# KiCad board 8851_HW-U1-VCU118_REV2-0_071417.kicad_pcb (continued)
## Nets (continued)
MGT_SI570_CLOCK3_C_P: C88.1 U1.L9
MGT_SI570_CLOCK3_N: C89.2 U104.16
MGT_SI570_CLOCK3_P: C88.2 U104.15
MGTAVCC: C1419.1 C1732.1 L89.2 R114.2 R1204.2
MGTAVCC_A3_IN: C1698.1 C1723.2 R1227.1 R1274.2 U166.30
MGTAVCC_FPGA: C590.1 C596.1 C602.1 C614.1 C618.1 C622.1 C628.1 C630.1 C632.1 C902.1 C903.1 C1474.1 C1478.1 C1480.1 C1504.1 C1505.1 C1516.1 C1517.1 C1520.1 C1547.1 C1548.1 C1549.1 C1550.1 C1733.1 C1734.1 C1735.1 C1736.1 C1737.1 C1738.1 C1739.1 C1740.1 D38.1 J109.1 R113.2 R1204.1 U1.AA10 U1.AA36 U1.AB9 U1.AB37 U1.AC10 U1.AC36 U1.AC39 U1.AD11 U1.AD37 U1.AE10 U1.AE36 U1.AF11 U1.AF37 U1.AG10 U1.AG37 U1.AH8 U1.AJ10 U1.AJ38 U1.AK9 U1.AL10 U1.AL39 U1.AM8 U1.AN10 U1.AP9 U1.AP40 U1.AR10 U1.AT8 U1.K9 U1.M8 U1.P9 U1.P40 U1.U38 U1.V37 U1.W10 U1.W36 U1.Y8 U1.Y37 Z132.2
MGTAVCC_FPGA_SNS_N: U166.35 Z133.1
MGTAVCC_FPGA_SNS_P: U37.8 U166.36 Z132.1
MGTAVCC_FPGA_VIN: C158.1 R113.1 U37.9
MGTAVCC_ISENSE2: R1227.2 R1271.2 U163.15
MGTAVCC_PGOOD: D11.1 RP3.8 U51.7 U166.24
MGTAVCC_PWM2: U163.13 U166.17
MGTAVCC_SLAVE_1V8: C1620.1 C1675.1 C1676.1 C1681.1 L98.1 R1212.1 R1232.1 U163.11
MGTAVCC_TS_FAULTB: C1718.1 R1279.1 U166.19
MGTAVCC_VDD_MASTER: C1603.1 C1674.1 C1676.2 R1200.1 R1232.2 U166.8
MGTAVCC_VIN: C158.2 R114.1 U37.10
MGTAVCC_VIN_UV: C1717.1 R1218.2 R1221.1 U166.14
MGTAVCC_VX2: C1704.1 L89.1 U163.6 U163.7 U163.8 U163.9
MGTAVTT: C1743.1 C1744.1 L88.2 R112.2 R1203.2
MGTAVTT_A3_IN: C1694.1 C1722.2 R1226.1 R1273.2 U165.30
MGTAVTT_FPGA: C589.1 C595.1 C601.1 C615.1 C619.1 C623.1 C1475.1 C1477.1 C1479.1 C1481.1 C1506.1 C1515.1 C1518.1 C1519.1 C1741.1 C1742.1 C1745.1 C1746.1 C1747.1 C1748.1 C1749.1 C1750.1 C1751.1 C1752.1 D37.1 J108.1 R111.2 R175.2 R176.2 R1088.2 R1203.1 R1326.2 U1.A5 U1.A42 U1.AA6 U1.AB40 U1.AC7 U1.AD41 U1.AE6 U1.AF40 U1.AG7 U1.AH41 U1.AH43 U1.AJ6 U1.AJ42 U1.AK40 U1.AL4 U1.AL7 U1.AL43 U1.AM5 U1.AM41 U1.AN6 U1.AN42 U1.AP4 U1.AR7 U1.AR43 U1.AT5 U1.AU6 U1.AU42 U1.AV4 U1.AW43 U1.AY5 U1.B3 U1.B5 U1.B44 U1.BA42 U1.BB4 U1.BC43 U1.BD3 U1.BD5 U1.BE3 U1.BE42 U1.BE44 U1.BF4 U1.BF42 U1.C43 U1.C45 U1.D4 U1.E42 U1.F5 U1.G7 U1.G43 U1.H4 U1.J6 U1.J42 U1.K5 U1.L7 U1.L40 U1.L43 U1.M4 U1.N5 U1.N6 U1.N42 U1.R7 U1.R43 U1.T41 U1.U6 U1.U42 U1.V40 U1.V43 U1.W7 U1.Y41 Z130.2
MGTAVTT_FPGA_SNS_N: U165.35 Z131.1
MGTAVTT_FPGA_SNS_P: U36.8 U165.36 Z130.1
MGTAVTT_FPGA_VIN: C155.1 R111.1 U36.9
MGTAVTT_ISENSE2: R1226.2 R1270.2 U162.15
MGTAVTT_PGOOD: D14.1 RP3.7 U5.7 U51.8 U165.24 U167.7
MGTAVTT_PWM2: U162.13 U165.17
MGTAVTT_SLAVE_1V8: C1617.1 C1669.1 C1670.1 C1680.1 L97.1 R1211.1 R1231.1 U162.11
MGTAVTT_TS_FAULTB: C1716.1 R1278.1 U165.19
MGTAVTT_VDD_MASTER: C1598.1 C1668.1 C1670.2 R1199.1 R1231.2 U165.8
MGTAVTT_VIN: C155.2 R112.1 U36.10
MGTAVTT_VIN_UV: C1715.1 R1217.2 R1220.1 U165.14
MGTAVTT_VX2: C1703.1 L88.1 U162.6 U162.7 U162.8 U162.9
MGTRREF_121: R175.1 U1.BF43
MGTRREF_126: R176.1 U1.L41
MGTRREF_226: R1088.1 U1.BD2
MGTRREF_231: R1326.1 U1.A4
MGTVCCAUX_L: C711.1 C713.1 C924.1 C1476.1 C1483.1 C1484.1 C1485.1 D39.1 R172.2 R1290.1 U1.AA38 U1.AE38 U1.AG39 U1.W39
MGTVCCAUX_PGOOD: D12.1 RP3.6 U5.6 U51.9 U167.6
MGTVCCAUX_R: C176.1 C177.1 C178.1 C179.1 C180.1 C181.1 C182.1 D9.1 R160.1 R173.2 U1.AD8 U1.AF9 U1.T8 U1.V9
PCIE_CLK1_C_N: C102.1 U20.2
PCIE_CLK1_C_P: C67.1 U20.1
PCIE_CLK1_N: C102.2 U1.AL8
PCIE_CLK1_P: C67.2 U1.AL9
PCIE_CLK2_C_N: C119.1 U20.4
PCIE_CLK2_C_P: C118.1 U20.3
PCIE_CLK2_N: C119.2 U1.AC8
PCIE_CLK2_P: C118.2 U1.AC9
PCIE_CLK_Q0_N: U2.A14 U20.6
PCIE_CLK_Q0_P: U2.A13 U20.7
PCIE_PERST: R10.2 R11.2 R12.1 U3.11
PCIE_PERST_LS: U1.AM17 U3.10
PCIE_PERST_R: R10.1 U2.A11
PCIE_PRSNT_B: J7.2 J7.4 J7.6 J7.8 U2.A1
PCIE_PRSNT_X1: J7.1 U2.B17
PCIE_PRSNT_X4: J7.3 U2.B31
PCIE_PRSNT_X8: J7.5 U2.B48
PCIE_PRSNT_X16: J7.7 U2.B81
PCIE_RX0_N: U1.AA3 U2.B15
PCIE_RX0_P: U1.AA4 U2.B14
PCIE_RX1_N: U1.AB1 U2.B20
PCIE_RX1_P: U1.AB2 U2.B19
PCIE_RX2_N: U1.AC3 U2.B24
PCIE_RX2_P: U1.AC4 U2.B23
PCIE_RX3_N: U1.AD1 U2.B28
PCIE_RX3_P: U1.AD2 U2.B27
PCIE_RX4_N: U1.AE3 U2.B34
PCIE_RX4_P: U1.AE4 U2.B33
PCIE_RX5_N: U1.AF1 U2.B38
PCIE_RX5_P: U1.AF2 U2.B37
PCIE_RX6_N: U1.AG3 U2.B42
PCIE_RX6_P: U1.AG4 U2.B41
PCIE_RX7_N: U1.AH1 U2.B46
PCIE_RX7_P: U1.AH2 U2.B45
PCIE_RX8_N: U1.AJ3 U2.B51
PCIE_RX8_P: U1.AJ4 U2.B50
PCIE_RX9_N: U1.AK1 U2.B55
PCIE_RX9_P: U1.AK2 U2.B54
PCIE_RX10_N: U1.AM1 U2.B59
PCIE_RX10_P: U1.AM2 U2.B58
PCIE_RX11_N: U1.AP1 U2.B63
PCIE_RX11_P: U1.AP2 U2.B62
PCIE_RX12_N: U1.AT1 U2.B67
PCIE_RX12_P: U1.AT2 U2.B66
PCIE_RX13_N: U1.AV1 U2.B71
PCIE_RX13_P: U1.AV2 U2.B70
PCIE_RX14_N: U1.AY1 U2.B75
PCIE_RX14_P: U1.AY2 U2.B74
PCIE_RX15_N: U1.BB1 U2.B79
PCIE_RX15_P: U1.BB2 U2.B78
PCIE_TX0_C_N: C61.1 U2.A17
PCIE_TX0_C_P: C60.1 U2.A16
PCIE_TX0_N: C61.2 U1.Y6
PCIE_TX0_P: C60.2 U1.Y7
PCIE_TX1_C_N: C59.1 U2.A22
PCIE_TX1_C_P: C58.1 U2.A21
PCIE_TX1_N: C59.2 U1.AB6
PCIE_TX1_P: C58.2 U1.AB7
PCIE_TX2_C_N: C56.1 U2.A26
PCIE_TX2_C_P: C52.1 U2.A25
PCIE_TX2_N: C56.2 U1.AD6
PCIE_TX2_P: C52.2 U1.AD7
PCIE_TX3_C_N: C51.1 U2.A30
PCIE_TX3_C_P: C50.1 U2.A29
PCIE_TX3_N: C51.2 U1.AF6
PCIE_TX3_P: C50.2 U1.AF7
PCIE_TX4_C_N: C29.1 U2.A36
PCIE_TX4_C_P: C30.1 U2.A35
PCIE_TX4_N: C29.2 U1.AH6
PCIE_TX4_P: C30.2 U1.AH7
PCIE_TX5_C_N: C21.1 U2.A40
PCIE_TX5_C_P: C22.1 U2.A39
PCIE_TX5_N: C21.2 U1.AK6
PCIE_TX5_P: C22.2 U1.AK7
PCIE_TX6_C_N: C19.1 U2.A44
PCIE_TX6_C_P: C20.1 U2.A43
PCIE_TX6_N: C19.2 U1.AM6
PCIE_TX6_P: C20.2 U1.AM7
PCIE_TX7_C_N: C17.1 U2.A48
PCIE_TX7_C_P: C18.1 U2.A47
PCIE_TX7_N: C17.2 U1.AN4
PCIE_TX7_P: C18.2 U1.AN5
PCIE_TX8_C_N: C31.1 U2.A53
PCIE_TX8_C_P: C32.1 U2.A52
PCIE_TX8_N: C31.2 U1.AP6
PCIE_TX8_P: C32.2 U1.AP7
PCIE_TX9_C_N: C34.1 U2.A57
PCIE_TX9_C_P: C33.1 U2.A56
PCIE_TX9_N: C34.2 U1.AR4
PCIE_TX9_P: C33.2 U1.AR5
PCIE_TX10_C_N: C36.1 U2.A61
PCIE_TX10_C_P: C35.1 U2.A60
PCIE_TX10_N: C36.2 U1.AT6
PCIE_TX10_P: C35.2 U1.AT7
PCIE_TX11_C_N: C38.1 U2.A65
PCIE_TX11_C_P: C37.1 U2.A64
PCIE_TX11_N: C38.2 U1.AU4
PCIE_TX11_P: C37.2 U1.AU5
PCIE_TX12_C_N: C43.1 U2.A69
PCIE_TX12_C_P: C42.1 U2.A68
PCIE_TX12_N: C43.2 U1.AW4
PCIE_TX12_P: C42.2 U1.AW5
PCIE_TX13_C_N: C45.1 U2.A73
PCIE_TX13_C_P: C44.1 U2.A72
PCIE_TX13_N: C45.2 U1.BA4
PCIE_TX13_P: C44.2 U1.BA5
PCIE_TX14_C_N: C47.1 U2.A77
PCIE_TX14_C_P: C46.1 U2.A76
PCIE_TX14_N: C47.2 U1.BC4
PCIE_TX14_P: C46.2 U1.BC5
PCIE_TX15_C_N: C49.1 U2.A81
PCIE_TX15_C_P: C48.1 U2.A80
PCIE_TX15_N: C49.2 U1.BE4
PCIE_TX15_P: C48.2 U1.BE5
PCIE_WAKE_B: U2.B11 U3.12
PCIE_WAKE_B_LS: U1.BC24 U3.9
PHY1_CLKOUT: R32.2 U1.AU23
PHY1_GPIO_0: U1.AR22 U7.39
PHY1_MDC: J13.1 R27.2 U1.AV23 U7.16
PHY1_MDIO: J16.1 R26.2 U1.AR23 U7.17
PHY1_PDWN_B_I_INT_B_O: R34.2 U1.AR24 U7.44
PHY1_RESET_B: J11.1 R39.2 U1.BA21 U7.43
PHY1_SGMII_CLK_C_N: C90.2 R60.2 R66.1 R205.1 U7.34
PHY1_SGMII_CLK_C_P: C93.2 R61.2 R67.1 R206.1 U7.33
PHY1_SGMII_CLK_N: C90.1 U1.AU22
PHY1_SGMII_CLK_P: C93.1 U1.AT22
PHY1_SGMII_IN_C_N: C85.2 U7.28
PHY1_SGMII_IN_C_P: C77.2 U7.27
PHY1_SGMII_IN_N: C85.1 U1.AV21
PHY1_SGMII_IN_P: C77.1 U1.AU21
PHY1_SGMII_OUT_C_N: C86.2 R68.2 R69.1 U7.36
PHY1_SGMII_OUT_C_P: C87.2 R70.2 R71.1 U7.35
PHY1_SGMII_OUT_N: C86.1 U1.AV24
PHY1_SGMII_OUT_P: C87.1 U1.AU24
PMBUS_ALERT: J39.7 Q21.3 Q23.3 R500.2 U4.9 U6.9 U9.9 U30.9 U150.9 U156.9 U164.13 U165.13 U166.13
PMBUS_ALERT_FPGA: Q21.2 R324.2 U1.BB23
PMBUS_ALERT_SYSCTLR: Q23.2 R820.2 U111.P11
PMBUS_SCL: J39.1 R501.2 R622.2 U4.10 U6.10 U9.10 U30.10 U80.5 U150.10 U156.10 U164.12 U165.12 U166.12
PMBUS_SDA: J39.3 R502.2 R621.2 U4.11 U6.11 U9.11 U30.11 U80.4 U150.11 U156.11 U164.11 U165.11 U166.11
PMOD0_0: J52.1 U41.18
PMOD0_0_LS: U1.AY14 U41.3
PMOD0_1: J52.3 U41.17
PMOD0_1_LS: U1.AY15 U41.4
PMOD0_2: J52.5 U41.16
PMOD0_2_LS: U1.AW15 U41.5
PMOD0_3: J52.7 U41.15
PMOD0_3_LS: U1.AV15 U41.6
PMOD0_4: J52.2 U41.14
PMOD0_4_LS: U1.AV16 U41.7
PMOD0_5: J52.4 U41.13
PMOD0_5_LS: U1.AU16 U41.8
PMOD0_6: J52.6 U41.12
PMOD0_6_LS: U1.AT15 U41.9
PMOD0_7: J52.8 U41.11
PMOD0_7_LS: U1.AT16 U41.10
PMOD1_0: J53.1 U42.18
PMOD1_0_LS: U1.N28 U42.3
PMOD1_1: J53.3 U42.17
PMOD1_1_LS: U1.M30 U42.4
PMOD1_2: J53.5 U42.16
PMOD1_2_LS: U1.N30 U42.5
PMOD1_3: J53.7 U42.15
PMOD1_3_LS: U1.P30 U42.6
PMOD1_4: J53.2 U42.14
PMOD1_4_LS: U1.P29 U42.7
PMOD1_5: J53.4 U42.13
PMOD1_5_LS: U1.L31 U42.8
PMOD1_6: J53.6 U42.12
PMOD1_6_LS: U1.M31 U42.9
PMOD1_7: J53.8 U42.11
PMOD1_7_LS: U1.R29 U42.10
POR_OVERRIDE_PIN: J5.2 R116.1 U1.AG12
PUDC_B_PIN: R418.1 R1291.2 U1.AD12
QSFP1_IIC_SCL: R608.2 U28.9 U145.11
QSFP1_IIC_SDA: R607.2 U28.8 U145.12
QSFP1_INTL: R1095.2 U17.15 U145.28
QSFP1_INTL_LS: U1.AP21 U17.6
QSFP1_LPMODE: U17.14 U145.31
QSFP1_LPMODE_LS: U1.AN21 U17.7
QSFP1_MODPRSL: R1094.2 U17.16 U145.27
QSFP1_MODPRSL_LS: U1.AL21 U17.5
QSFP1_MODSELL: U17.18 U145.8
QSFP1_MODSELL_LS: R1190.1 U1.AM21 U17.3
QSFP1_RECCLK_C_N: C28.2 U57.17
QSFP1_RECCLK_C_P: C25.2 U57.16
QSFP1_RECCLK_N: C28.1 R266.2 U1.AM22
QSFP1_RECCLK_P: C25.1 R266.1 U1.AM23
QSFP1_RESETL: U17.17 U145.9
QSFP1_RESETL_LS: U1.BA22 U17.4
QSFP1_RX1_N: U1.Y1 U145.18
QSFP1_RX1_P: U1.Y2 U145.17
QSFP1_RX2_N: U1.W3 U145.21
QSFP1_RX2_P: U1.W4 U145.22
QSFP1_RX3_N: U1.V1 U145.15
QSFP1_RX3_P: U1.V2 U145.14
QSFP1_RX4_N: U1.U3 U145.24
QSFP1_RX4_P: U1.U4 U145.25
QSFP1_TX1_N: U1.V6 U145.37
QSFP1_TX1_P: U1.V7 U145.36
QSFP1_TX2_N: U1.T6 U145.2
QSFP1_TX2_P: U1.T7 U145.3
QSFP1_TX3_N: U1.P6 U145.34
QSFP1_TX3_P: U1.P7 U145.33
QSFP1_TX4_N: U1.M6 U145.5
QSFP1_TX4_P: U1.M7 U145.6
QSFP1_VCC1_FILT: C1345.1 C1350.1 L72.2 U145.30
QSFP1_VCCRX_FILT: C1347.1 C1352.1 L70.2 U145.10
QSFP1_VCCTX_FILT: C1346.1 C1351.1 L71.2 U145.29
QSFP2_IIC_SCL: R92.2 U28.11 U123.11
QSFP2_IIC_SDA: R91.2 U28.10 U123.12
QSFP2_INTL: R2.2 U3.15 U123.28
QSFP2_INTL_LS: U1.AT21 U3.6
QSFP2_LPMODE: U3.14 U123.31
QSFP2_LPMODE_LS: U1.AT24 U3.7
QSFP2_MODPRSL: R1.2 U3.16 U123.27
QSFP2_MODPRSL_LS: U1.AN24 U3.5
QSFP2_MODSELL: U3.18 U123.8
QSFP2_MODSELL_LS: R43.1 U1.AN23 U3.3
QSFP2_RECCLK_C_N: C1581.2 U57.13
QSFP2_RECCLK_C_P: C1580.2 U57.12
QSFP2_RECCLK_N: C1581.1 R1198.2 U1.AP22
QSFP2_RECCLK_P: C1580.1 R1198.1 U1.AP23
QSFP2_RESETL: U3.17 U123.9
QSFP2_RESETL_LS: U1.AY22 U3.4
QSFP2_RX1_N: U1.T1 U123.18
QSFP2_RX1_P: U1.T2 U123.17
QSFP2_RX2_N: U1.R3 U123.21
QSFP2_RX2_P: U1.R4 U123.22
QSFP2_RX3_N: U1.P1 U123.15
QSFP2_RX3_P: U1.P2 U123.14
QSFP2_RX4_N: U1.M1 U123.24
QSFP2_RX4_P: U1.M2 U123.25
QSFP2_TX1_N: U1.L4 U123.37
QSFP2_TX1_P: U1.L5 U123.36
QSFP2_TX2_N: U1.K6 U123.2
QSFP2_TX2_P: U1.K7 U123.3
QSFP2_TX3_N: U1.J4 U123.34
QSFP2_TX3_P: U1.J5 U123.33
QSFP2_TX4_N: U1.H6 U123.5
QSFP2_TX4_P: U1.H7 U123.6
QSFP2_VCC1_FILT: C1.1 C3.1 L2.2 U123.30
QSFP2_VCCRX_FILT: C1553.1 C1556.1 L86.2 U123.10
QSFP2_VCCTX_FILT: C1552.1 C1555.1 L1.2 U123.29
QSFP_SI570_CLOCK_C_N: C95.1 U1.W8
QSFP_SI570_CLOCK_C_P: C94.1 U1.W9
QSFP_SI570_CLOCK_N: C95.2 U38.5
QSFP_SI570_CLOCK_P: C94.2 U38.4
QSPI0_CS_B: R1015.2 U1.AJ11 U133.7
QSPI0_DQ0: U1.AP11 U133.15
QSPI0_DQ1: U1.AN11 U133.8
QSPI0_DQ2: R1018.2 U1.AM11 U133.9
QSPI0_DQ3: R1016.2 U1.AL11 U133.1
QSPI1_CS_B: R1293.2 U1.BF16 U43.7
QSPI1_DQ0: U1.AM19 U43.15
QSPI1_DQ1: U1.AM18 U43.8
QSPI1_DQ2: R1019.2 U1.AN20 U43.9
QSPI1_DQ3: R191.2 U1.AP20 U43.1
QSPI_CLK: U1.AF13 U43.16 U133.16
QSPI_RESET_B: R1328.2 U43.3 U133.3
REG_EN: R499.2 U4.12 U6.12 U9.12 U15.4 U25.1 U164.9 U165.9 U166.9
REG_SYNC: R141.1 R362.1 R1070.1 R1143.1 R1144.1
RJ45_LGRN_PWR: J10.16 R82.2
RJ45_RGRN_PWR: J10.14 R81.2
RLD3_C3_72B_0_VREF: C1233.1 R988.1 R989.2 U141.A7 U141.N7
RLD3_C3_72B_0_ZQ: R1145.1 U141.F7
RLD3_C3_72B_1_VREF: C1236.1 R1141.1 R1142.2 U142.A7 U142.N7
RLD3_C3_72B_1_ZQ: R1007.1 U142.F7
RLD3_C3_72B_A0: R964.2 U1.A29 U141.E2 U142.E2
RLD3_C3_72B_A1: R965.2 U1.C29 U141.F5 U142.F5
RLD3_C3_72B_A2: R966.2 U1.D29 U141.F4 U142.F4
RLD3_C3_72B_A3: R967.2 U1.B30 U141.F9 U142.F9
RLD3_C3_72B_A4: R968.2 U1.C30 U141.F10 U142.F10
RLD3_C3_72B_A5: R969.2 U1.A31 U141.F12 U142.F12
RLD3_C3_72B_A6: R970.2 U1.A30 U141.G3 U142.G3
RLD3_C3_72B_A7: R971.2 U1.A33 U141.F1 U142.F1
RLD3_C3_72B_A8: R972.2 U1.B33 U141.G11 U142.G11
RLD3_C3_72B_A9: R973.2 U1.B32 U141.F13 U142.F13
RLD3_C3_72B_A10: R974.2 U1.B31 U141.H13 U142.H13
RLD3_C3_72B_A11: R955.2 U1.C33 U141.D1 U142.D1
RLD3_C3_72B_A12: R956.2 U1.C32 U141.H11 U142.H11
RLD3_C3_72B_A13: R957.2 U1.D30 U141.D13 U142.D13
RLD3_C3_72B_A14: R958.2 U1.E29 U141.H3 U142.H3
RLD3_C3_72B_A15: R959.2 U1.F29 U141.G2 U142.G2
RLD3_C3_72B_A16: R960.2 U1.D32 U141.H4 U142.H4
RLD3_C3_72B_A17: R961.2 U1.E32 U141.H10 U142.H10
RLD3_C3_72B_A18: R962.2 U1.D31 U141.G12 U142.G12
RLD3_C3_72B_A19: R963.2 U1.E31 U141.H1 U142.H1
RLD3_C3_72B_A20: R990.2 U1.R28 U141.F2 U142.F2
RLD3_C3_72B_BA0: R978.2 U1.E33 U141.G9 U142.G9
RLD3_C3_72B_BA1: R977.2 U1.F33 U141.G5 U142.G5
RLD3_C3_72B_BA2: R976.2 U1.F30 U141.H8 U142.H8
RLD3_C3_72B_BA3: R975.2 U1.G30 U141.H6 U142.H6
RLD3_C3_72B_CK_N: R1292.1 U1.H30 U141.G7 U142.G7
RLD3_C3_72B_CK_P: R951.1 U1.H29 U141.H7 U142.H7
RLD3_C3_72B_CS_B: R952.2 U1.N29 U141.E12 U142.E12
RLD3_C3_72B_DK0_N: U1.J31 U141.C7
RLD3_C3_72B_DK0_P: U1.K31 U141.D7
RLD3_C3_72B_DK1_N: U1.J32 U141.L7
RLD3_C3_72B_DK1_P: U1.K32 U141.K7
RLD3_C3_72B_DK2_N: U1.J30 U142.C7
RLD3_C3_72B_DK2_P: U1.J29 U142.D7
RLD3_C3_72B_DK3_N: U1.G33 U142.L7
RLD3_C3_72B_DK3_P: U1.H33 U142.K7
RLD3_C3_72B_DM0: U1.F39 U141.B7
RLD3_C3_72B_DM1: U1.A35 U141.M7
RLD3_C3_72B_DM2: U1.N24 U142.B7
RLD3_C3_72B_DM3: U1.B25 U142.M7
RLD3_C3_72B_DQ0: U1.H39 U141.D11
RLD3_C3_72B_DQ1: U1.H40 U141.E10
RLD3_C3_72B_DQ2: U1.G40 U141.C8
RLD3_C3_72B_DQ3: U1.F40 U141.C10
RLD3_C3_72B_DQ4: U1.H38 U141.C12
RLD3_C3_72B_DQ5: U1.G38 U141.B9
RLD3_C3_72B_DQ6: U1.K37 U141.B11
RLD3_C3_72B_DQ7: U1.J37 U141.A8
RLD3_C3_72B_DQ8: U1.F38 U141.A10
RLD3_C3_72B_DQ9: U1.J35 U141.J10
RLD3_C3_72B_DQ10: U1.H35 U141.K11
RLD3_C3_72B_DQ11: U1.J36 U141.K13
RLD3_C3_72B_DQ12: U1.H37 U141.L8
RLD3_C3_72B_DQ13: U1.H34 U141.L10
RLD3_C3_72B_DQ14: U1.G35 U141.L12
RLD3_C3_72B_DQ15: U1.F35 U141.M9
RLD3_C3_72B_DQ16: U1.F36 U141.M11
RLD3_C3_72B_DQ17: U1.G36 U141.N8
RLD3_C3_72B_DQ18: U1.E37 U141.D3
RLD3_C3_72B_DQ19: U1.E38 U141.E4
RLD3_C3_72B_DQ20: U1.C39 U141.C6
RLD3_C3_72B_DQ21: U1.B40 U141.C4
RLD3_C3_72B_DQ22: U1.A39 U141.C2
RLD3_C3_72B_DQ23: U1.A40 U141.B5
RLD3_C3_72B_DQ24: U1.D40 U141.B3
RLD3_C3_72B_DQ25: U1.C40 U141.A6
RLD3_C3_72B_DQ26: U1.B38 U141.A4
RLD3_C3_72B_DQ27: U1.D35 U141.J4
RLD3_C3_72B_DQ28: U1.C35 U141.K3
RLD3_C3_72B_DQ29: U1.D34 U141.K1
RLD3_C3_72B_DQ30: U1.C34 U141.L6
RLD3_C3_72B_DQ31: U1.B36 U141.L4
RLD3_C3_72B_DQ32: U1.B37 U141.L2
RLD3_C3_72B_DQ33: U1.B35 U141.M5
RLD3_C3_72B_DQ34: U1.A36 U141.M3
RLD3_C3_72B_DQ35: U1.A34 U141.N6
RLD3_C3_72B_DQ36: U1.T24 U142.D11
RLD3_C3_72B_DQ37: U1.R24 U142.E10
RLD3_C3_72B_DQ38: U1.R27 U142.C8
RLD3_C3_72B_DQ39: U1.P27 U142.C10
RLD3_C3_72B_DQ40: U1.P25 U142.C12
RLD3_C3_72B_DQ41: U1.N25 U142.B9
RLD3_C3_72B_DQ42: U1.P26 U142.B11
RLD3_C3_72B_DQ43: U1.N27 U142.A8
RLD3_C3_72B_DQ44: U1.P24 U142.A10
RLD3_C3_72B_DQ45: U1.M25 U142.J10
RLD3_C3_72B_DQ46: U1.L26 U142.K11
RLD3_C3_72B_DQ47: U1.L28 U142.K13
RLD3_C3_72B_DQ48: U1.K28 U142.L8
RLD3_C3_72B_DQ49: U1.L24 U142.L10
RLD3_C3_72B_DQ50: U1.L25 U142.L12
RLD3_C3_72B_DQ51: U1.K26 U142.M9
RLD3_C3_72B_DQ52: U1.J26 U142.M11
RLD3_C3_72B_DQ53: U1.K27 U142.N8
RLD3_C3_72B_DQ54: U1.H27 U142.D3
RLD3_C3_72B_DQ55: U1.G27 U142.E4
RLD3_C3_72B_DQ56: U1.F28 U142.C6
RLD3_C3_72B_DQ57: U1.E28 U142.C4
RLD3_C3_72B_DQ58: U1.H28 U142.C2
RLD3_C3_72B_DQ59: U1.G28 U142.B5
RLD3_C3_72B_DQ60: U1.E26 U142.B3
RLD3_C3_72B_DQ61: U1.E27 U142.A6
RLD3_C3_72B_DQ62: U1.G25 U142.A4
RLD3_C3_72B_DQ63: U1.B28 U142.J4
RLD3_C3_72B_DQ64: U1.A28 U142.K3
RLD3_C3_72B_DQ65: U1.C27 U142.K1
RLD3_C3_72B_DQ66: U1.B27 U142.L6
RLD3_C3_72B_DQ67: U1.B26 U142.L4
RLD3_C3_72B_DQ68: U1.A26 U142.L2
RLD3_C3_72B_DQ69: U1.D25 U142.M5
RLD3_C3_72B_DQ70: U1.D26 U142.M3
RLD3_C3_72B_DQ71: U1.C25 U142.N6
RLD3_C3_72B_QK0_N: U1.J40 U141.E8
RLD3_C3_72B_QK0_P: U1.J39 U141.D9
RLD3_C3_72B_QK1_N: U1.E34 U141.J8
RLD3_C3_72B_QK1_P: U1.F34 U141.K9
RLD3_C3_72B_QK2_N: U1.D39 U141.E6
RLD3_C3_72B_QK2_P: U1.E39 U141.D5
RLD3_C3_72B_QK3_N: U1.C37 U141.J6
RLD3_C3_72B_QK3_P: U1.D37 U141.K5
RLD3_C3_72B_QK4_N: U1.R26 U142.E8
RLD3_C3_72B_QK4_P: U1.T26 U142.D9
RLD3_C3_72B_QK5_N: U1.M28 U142.J8
RLD3_C3_72B_QK5_P: U1.M27 U142.K9
RLD3_C3_72B_QK6_N: U1.F26 U142.E6
RLD3_C3_72B_QK6_P: U1.G26 U142.D5
RLD3_C3_72B_QK7_N: U1.C28 U142.J6
RLD3_C3_72B_QK7_P: U1.D27 U142.K5
RLD3_C3_72B_QVLD0: U1.G37 U141.J12
RLD3_C3_72B_QVLD1: U1.A38 U141.J2
RLD3_C3_72B_QVLD2: U1.J27 U142.J12
RLD3_C3_72B_QVLD3: U1.F25 U142.J2
RLD3_C3_72B_REF_B: R953.2 U1.L30 U141.F8 U142.F8
RLD3_C3_72B_RESET_B: U1.L29 U141.A13 U142.A13
RLD3_C3_72B_TCK: J105.5 R1195.2 U141.N2 U142.N2
RLD3_C3_72B_TDI: J105.3 R1194.2 U141.N10
RLD3_C3_72B_TMS: J105.4 R1193.2 U141.N12 U142.N12
RLD3_C3_72B_WE_B: R954.2 U1.K29 U141.F6 U142.F6
RLD3_C3_COMP1_72B_TDO: U141.N4 U142.N10
RLD3_C3_COMP2_72B_TDO: J105.2 U142.N4
RLD3_C3_VTERM_0V6: C1237.1 C1238.1 C1239.1 C1240.1 C1241.1 C1242.1 C1243.1 C1244.1 C1245.1 C1246.1 C1388.1 C1389.1 C1390.1 J104.1 R952.1 R953.1 R954.1 R955.1 R956.1 R957.1 R958.1 R959.1 R960.1 R961.1 R962.1 R963.1 R964.1 R965.1 R966.1 R967.1 R968.1 R969.1 R970.1 R971.1 R972.1 R973.1 R974.1 R975.1 R976.1 R977.1 R978.1 R990.1 U143.3 Z87.1
RLD3_C3_VTERM_0V6_PGOOD: Q41.1 R1008.2 U143.9
RLD3_EN: R1009.2 U143.7
RLD3_REFIN: C1289.1 R991.2 R992.1 U143.1
RLD3_REFOUT: C1247.1 U143.6
RLD3_SENSE: U143.5 Z87.2
RX_CTRL: R57.2 R65.1 U7.38
SDIO_CD: J83.13 R1101.2 U111.D8
SDIO_CLK: R1103.1 R1104.1 U111.B7 U154.12
SDIO_CMD: U111.B10 U154.10
SDIO_CONN_CLK: J83.5 U154.14
SDIO_CONN_CMD: J83.3 U154.8
SDIO_CONN_DATA0: J83.7 U154.15
SDIO_CONN_DATA1: J83.8 U154.5
SDIO_CONN_DATA2: J83.1 U154.6
SDIO_CONN_DATA3: J83.2 U154.7
SDIO_DATA0: U111.D6 U154.1
SDIO_DATA1: U111.C6 U154.3
SDIO_DATA2: U111.B9 U154.4
SDIO_DATA3: U111.D10 U154.9
SI570_0_OUTPUT_N: R36.1 U18.5 U157.4
SI570_0_OUTPUT_P: R36.2 U18.4 U157.3
SI570_1_OUTPUT_N: R687.1 U32.5 U104.7
SI570_1_OUTPUT_P: R687.2 U32.4 U104.6
SI5328_CLOCK1_C_N: C24.2 U1.U8
SI5328_CLOCK1_C_P: C23.2 U1.U9
SI5328_CLOCK1_N: C24.1 U57.29
SI5328_CLOCK1_P: C23.1 U57.28
SI5328_CLOCK2_C_N: C1363.2 U1.N8
SI5328_CLOCK2_C_P: C1364.2 U1.N9
SI5328_CLOCK2_N: C1363.1 U57.34
SI5328_CLOCK2_P: C1364.1 U57.35
SI5328_INT_ALM: U17.12 U57.3
SI5328_INT_ALM_LS: U1.H20 U17.9
SI5328_RST_B: U3.13 U57.1
SI5328_RST_LS_B: R1092.2 U1.BC21 U3.8
SI5328_SCL: R612.2 U28.14 U57.22
SI5328_SDA: R611.2 U28.13 U57.23
SI5328_VCC: C26.1 C27.1 C294.1 L31.1 U57.5 U57.10 U57.32
SI5328_XTAL_XA: U57.6 X5.1
SI5328_XTAL_XB: U57.7 X5.3
SIT9122_N: R37.2 U14.5 U21.6
SIT9122_P: R37.1 U14.4 U21.7
SM_FAN_PWM: Q61.1 R422.2 U31.12
SM_FAN_TACH: J73.3 R1327.2 U31.10 U31.11
SYS1V0_LX: L63.1 U124.A2
SYS2V5_LX: L73.1 U151.A2
SYS_1V0: C78.1 C82.1 C103.1 C109.1 C110.1 C111.1 C133.1 C134.1 C135.1 C136.1 C788.1 C798.1 C806.1 C816.1 C820.1 C821.1 C822.1 C833.1 C834.1 C865.1 C867.1 C868.1 C879.1 J86.1 L63.2 R814.1 R817.1 U7.6 U7.24 U7.31 U7.42 U111.E10 U111.F9 U111.G6 U111.G10 U111.H5 U111.J10 U111.K5 U111.L10 U128.16
SYS_1V0_PGOOD: Q36.1 R828.2 U124.C3
SYS_1V0_POR_B: R823.2 U124.B3 U128.17
SYS_1V8: C79.1 C83.1 C114.1 C115.1 C116.1 C140.1 C141.1 C142.1 C775.1 C780.1 C789.1 C790.1 C791.1 C792.1 C795.1 C796.1 C801.1 C803.1 C805.1 C808.1 C810.1 C811.1 C825.1 C828.1 C830.1 C837.1 C841.1 C842.1 C843.1 C844.1 C848.1 C849.1 C850.1 C851.1 C852.1 C853.1 C876.1 C1566.1 D15.3 J70.1 J82.1 L60.1 L62.2 Q23.1 R26.1 R27.1 R29.1 R30.1 R31.1 R34.1 R39.1 R54.1 R55.1 R56.1 R57.1 R60.1 R61.1 R68.1 R70.1 R198.1 R201.1 R203.1 R205.2 R206.2 R334.1 R724.1 R726.1 R748.1 R776.1 R802.1 R803.1 R816.1 R820.1 R826.1 R832.1 R854.1 R855.1 R856.1 R857.1 R860.2 R1101.1 R1103.2 R1196.1 R1197.1 SW15.5 SW15.6 SW15.7 SW15.8 SW16.8 U7.19 U7.30 U7.41 U109.2 U111.A6 U111.B3 U111.B13 U111.C10 U111.D7 U111.E4 U111.E6 U111.E14 U111.F1 U111.G4 U111.H4 U111.H9 U111.J2 U111.J4 U111.J6 U111.J8 U111.J12 U111.K8 U111.K9 U111.L6 U111.M3 U111.M13 U111.N10 U111.P7 U111.R4 U111.R14 U114.2 U122.7 U122.11 U122.15 U122.16 U122.20 U122.24 U125.9 U125.10 U128.13 U154.2
SYS_1V8_POR_B: R163.2 R824.2 U10.5 U125.5 U128.12
SYS_2V2: C75.1 C192.1 C522.1 J28.1 R75.1 R164.1 R166.1 R354.1 R355.1 R580.1 R601.1 R602.1 U10.9 U10.10 U28.24 U80.24
SYS_2V5: C80.1 C84.1 C112.1 C113.1 C137.1 C139.1 C555.1 C560.1 C603.1 C604.1 C697.1 C700.1 C704.1 C707.1 C955.1 C1054.1 C1145.1 C1148.1 C1151.1 C1154.1 C1160.1 C1167.1 C1170.1 C1173.1 C1176.1 C1182.1 C1280.1 C1281.1 C1287.1 C1288.1 C1294.1 C1295.1 C1300.1 C1301.1 C1343.1 C1353.1 C1354.1 C1359.1 J99.1 L73.2 R819.1 R1096.1 U7.3 U7.9 U60.B1 U60.R9 U61.B1 U61.R9 U62.B1 U62.R9 U63.B1 U63.R9 U64.B1 U64.R9 U128.10 U135.B1 U135.R9 U136.B1 U136.R9 U137.B1 U137.R9 U138.B1 U138.R9 U139.B1 U139.R9 U141.B1 U141.B13 U141.M1 U141.M13 U142.B1 U142.B13 U142.M1 U142.M13
SYS_2V5_PGOOD: Q6.1 R1100.2 U151.C3
SYS_2V5_POR_B: R1192.2 U128.9 U151.B3
SYSCLK1_300_C_N: C651.1 U157.10
SYSCLK1_300_C_P: C650.1 U157.9
SYSCLK1_300_N: C651.2 R595.1 R597.2 R1177.1 U1.F31
SYSCLK1_300_P: C650.2 R594.1 R596.2 R1177.2 U1.G31
SYSCLK2_300_N: R38.1 U104.4 U157.12
SYSCLK2_300_P: R38.2 U104.3 U157.11
SYSCLK_300_N: R1140.1 U122.21 U157.7
SYSCLK_300_P: R1140.2 U122.22 U157.6
SYSCLK_OEB_ALL: R792.1 U122.5
SYSCLK_RESET: R793.1 U122.3
SYSCTLR_AGND: C913.2 C1567.2 C1579.2 L61.1 U111.F8 U111.G8 U155.3
SYSCTLR_CFG_JTAG_TCK: R810.2 U111.N7
SYSCTLR_CFG_JTAG_TDI: R811.2 U111.P8
SYSCTLR_CFG_JTAG_TMS: R812.2 U111.N8
SYSCTLR_CLK: R799.2 U111.C7
SYSCTLR_CLK_R: R799.1 U122.10
SYSCTLR_DONE: Q3.1 R748.2 U111.M7
SYSCTLR_ENABLE: R1087.1 SW16.1 U111.K12
SYSCTLR_ERR_LED: Q35.1 R96.1 U111.G12
SYSCTLR_GPIO_5: U1.BD21 U111.D13
SYSCTLR_GPIO_6: U1.BA25 U111.A12
SYSCTLR_GPIO_7: U1.BA24 U111.C13
SYSCTLR_INIT_B: DS42.4 Q7.1 R726.2 U111.D5
SYSCTLR_MODE0: R727.1 SW15.4 U111.E15
SYSCTLR_MODE1: R728.1 SW15.3 U111.C11
SYSCTLR_MODE2: R729.1 SW15.2 U111.D15
SYSCTLR_MODE3: R730.1 SW15.1 U111.A14
SYSCTLR_POR_B: R13.2 SW14.1 SW14.2 U111.C9 U128.20
SYSCTLR_QSPI_IO0: R774.1 U111.A8 U114.15
SYSCTLR_QSPI_IO1: R773.1 U111.A7 U114.8
SYSCTLR_QSPI_IO2: R772.1 U111.C8 U114.9
SYSCTLR_QSPI_IO3: J110.1 R776.2 U111.A9 U114.1
SYSCTLR_QSPI_SCLK: R775.1 U111.A10 U114.16
SYSCTLR_QSPI_SS_B: U111.A5 U114.7
SYSCTLR_STAT_LED: Q34.1 R97.1 U111.H12
SYSCTLR_TCK: J82.3 R857.2 U111.G9
SYSCTLR_TDI: J82.5 R855.2 U111.L7
SYSCTLR_TDO: J82.6 R854.2 U111.L8
SYSCTLR_TMS: J82.4 R856.2 U111.L9
SYSCTLR_UART_RX: Q56.2 U111.B15
SYSCTLR_UART_TX: Q57.2 U111.C12
SYSCTLR_VREF: C913.1 C1567.1 U111.H7 U155.2
SYSMON_AGND: C2.2 L87.1 U1.AB17
SYSMON_SCL: R618.2 U1.AP18 U28.18
SYSMON_SDA: R617.2 U1.AP17 U28.17
SYSMON_VCCADC: C1579.1 L60.2 U111.F7 U155.1
SYSMON_VN: R560.1 U1.AD17
SYSMON_VP: R547.2 R548.1 U1.AC18
USB_FLTR: C57.1 C295.1 C346.1 C891.1 L34.1 U34.7 U34.8 U131.1 U131.3
USB_JTAG_DATA_N: J106.2 U115.12 X7.2
USB_JTAG_DATA_P: J106.3 U115.13 X7.1
USB_JTAG_FLTR: C1583.1 C1640.1 L93.1
USB_JTAG_GND: C1582.2 J106.5 L94.2
USB_JTAG_VBUS: C1582.1 J106.1 L93.2 X7.6
USB_POWERED_VIO: C543.1 C892.1 R498.2 R858.2 R860.1 U34.5 U131.5
USB_UART_CTS: Q54.2 U1.BB22
USB_UART_DATA_N: J4.2 U34.4 X1.2
USB_UART_DATA_P: J4.3 U34.3 X1.1
USB_UART_RTS: Q55.2 U1.AY25
USB_UART_RX: Q52.2 U1.BB21
USB_UART_TX: Q53.2 U1.AW25
USB_VBUS: C55.1 J4.1 L34.2 X1.6
USB_VBUS_GND: C55.2 J4.5 L35.2
USER_SI570_0_CLOCK_SCL: R614.2 U18.8 U28.16
USER_SI570_0_CLOCK_SDA: R613.2 U18.7 U28.15
USER_SI570_1_CLOCK_SCL: R604.2 U28.5 U32.8
USER_SI570_1_CLOCK_SDA: R603.2 U28.4 U32.7
USER_SI570_2_CLOCK_SCL: R190.2 U38.8 U80.16
USER_SI570_2_CLOCK_SDA: R189.2 U38.7 U80.15
USER_SI570_CLOCK1_N: R174.1 R182.2 R184.1 U1.AW22 U157.14
USER_SI570_CLOCK1_P: R174.2 R181.2 R183.1 U1.AW23 U157.13
USER_SI570_CLOCK_N: R88.1 R178.2 R180.1 U1.G32 U104.10
USER_SI570_CLOCK_P: R88.2 R177.2 R179.1 U1.H32 U104.9
USER_SMA_CLOCK_N: J35.1 R8.2 U1.P32
USER_SMA_CLOCK_P: J34.1 R8.1 U1.R32
UTIL_1V35: C1269.1 C1271.1 C1277.1 C1282.1 C1283.1 C1284.1 C1290.1 C1291.1 C1296.1 C1392.1 C1424.1 C1425.1 C1426.1 C1427.1 D8.1 J97.1 R152.2 U141.A3 U141.A11 U141.C1 U141.C13 U141.F3 U141.F11 U141.H2 U141.H5 U141.H9 U141.H12 U141.L1 U141.L13 U141.N3 U141.N11 U142.A3 U142.A11 U142.C1 U142.C13 U142.F3 U142.F11 U142.H2 U142.H5 U142.H9 U142.H12 U142.L1 U142.L13 U142.N3 U142.N11 Z91.2
UTIL_1V35_DH_R: Q39.1 R1022.2
UTIL_1V35_DL: Q39.7 U150.19
UTIL_1V35_FET_SWITCH: C1325.2 L66.1 Q39.2 Q39.3 Q39.4 R1029.1 R1076.2 R1079.2 U150.16
UTIL_1V35_PGOOD: D35.1 Q58.1 R1288.2 U150.32
UTIL_1V35_SNS_N: C1318.1 C1329.2 U150.26 Z92.1
UTIL_1V35_SNS_P: C1329.1 U150.27 Z91.1
UTIL_1V35_TEMPX: C1330.1 Q40.1 Q40.2 U150.7
UTIL_3V3: C7.1 C12.1 C15.1 C40.1 C53.1 C63.1 C65.1 C69.1 C70.1 C71.1 C73.1 C76.1 C81.1 C92.1 C96.1 C98.1 C120.1 C123.1 C125.1 C128.1 C154.1 C157.1 C162.1 C172.1 C191.1 C204.1 C236.1 C239.1 C290.1 C324.1 C356.1 C500.1 C501.1 C525.1 C527.1 C550.1 C551.1 C633.1 C640.1 C701.1 C774.1 C864.1 C866.1 C874.1 C893.1 C894.1 C895.1 C896.1 C905.1 C956.1 C957.1 C1013.1 C1164.1 C1273.1 C1342.1 C1344.1 C1348.1 C1349.1 C1361.1 C1362.1 C1395.1 C1396.1 C1441.1 C1551.1 C1554.1 C1586.1 C1597.1 C1602.1 C1626.1 C1628.1 C1629.1 C1630.1 C1631.1 C1644.1 C1645.1 C1646.1 C1647.1 C1652.1 C1653.1 C1654.1 C1655.1 C1659.1 C1667.1 C1673.1 C1753.1 DS2.3 DS3.3 DS34.2 J2.C39 J2.D32 J2.D36 J2.D38 J2.D40 J8.1 J9.1 J22.C39 J22.D32 J22.D36 J22.D38 J22.D40 J22.Z40 J52.11 J52.12 J53.11 J53.12 J83.4 J103.1 L1.1 L2.1 L4.2 L5.2 L31.2 L70.1 L71.1 L72.1 L86.1 Q52.1 Q53.1 Q54.1 Q55.1 Q56.1 Q57.1 R1.1 R2.1 R11.1 R13.1 R19.1 R28.1 R33.1 R77.1 R81.1 R82.1 R85.1 R86.1 R89.1 R90.1 R91.1 R92.1 R93.1 R94.1 R106.1 R107.1 R125.1 R126.1 R127.1 R128.1 R129.1 R130.1 R131.1 R132.1 R142.1 R143.1 R144.1 R145.1 R146.1 R147.1 R148.1 R149.1 R151.1 R153.1 R163.1 R189.1 R190.1 R192.1 R208.1 R213.1 R217.1 R218.1 R220.1 R221.1 R308.1 R321.1 R323.1 R327.1 R331.2 R388.1 R389.1 R399.1 R422.1 R492.1 R499.1 R500.1 R501.1 R502.1 R603.1 R604.1 R607.1 R608.1 R611.1 R612.1 R613.1 R614.1 R621.1 R622.1 R623.1 R624.1 R625.1 R626.1 R627.1 R628.1 R629.1 R630.1 R639.1 R640.1 R784.1 R785.1 R786.1 R787.1 R818.1 R823.1 R824.1 R828.1 R888.1 R890.1 R928.1 R929.1 R934.1 R945.1 R1008.1 R1009.1 R1013.1 R1094.1 R1095.1 R1100.1 R1183.1 R1192.1 R1288.1 RP2.1 RP2.2 RP2.3 RP2.4 RP3.1 RP3.2 RP3.3 RP3.4 U5.2 U5.3 U5.4 U5.5 U8.6 U10.1 U10.2 U10.3 U12.8 U13.1 U13.7 U13.10 U14.6 U18.6 U19.23 U19.24 U20.8 U21.8 U22.1 U22.7 U22.10 U23.6 U24.10 U25.5 U26.5 U27.6 U29.6 U31.5 U31.16 U32.6 U33.7 U35.6 U36.6 U37.6 U38.6 U39.3 U39.4 U39.10 U39.15 U39.21 U39.22 U40.8 U51.1 U51.23 U51.24 U53.1 U71.5 U104.5 U115.11 U124.A3 U125.1 U125.2 U125.3 U132.5 U134.10 U143.10 U151.A3 U154.16 U157.5 U164.27 U165.27 U166.27 U167.2 U167.3 U167.4 U167.5 Z115.2
UTIL_3V3_DH_R: Q47.4 R1147.2
UTIL_3V3_DL: Q45.4 U156.19
UTIL_3V3_EN: R333.2 R756.1 U156.12
UTIL_3V3_FET_SWITCH: C1526.2 L75.1 Q45.5 Q45.6 Q45.7 Q45.8 Q47.1 Q47.2 Q47.3 R1135.2 R1139.1 R1165.2 U156.16
UTIL_3V3_PGOOD: D13.1 RP3.5 U51.10 U156.32
UTIL_3V3_SNS_N: C1449.1 C1538.2 U156.26 Z116.1
UTIL_3V3_SNS_P: C1538.1 U156.27 Z115.1
UTIL_3V3_TEMPX: C1542.1 Q51.1 Q51.2 U156.7
VAD_1V8_TEMPX: C740.1 Q25.1 Q25.2 U30.7
VADJ_1V8: C174.1 L3.2 R87.1 R102.2 R434.1 Z65.2
VADJ_1V8_EN: U25.4 U30.12
VADJ_1V8_FET_SWITCH: C406.2 L3.1 Q9.2 Q9.3 Q9.4 R231.1 R464.2 R712.2 U30.16
VADJ_1V8_FPGA: C99.1 C169.1 C170.1 C289.1 C1012.1 C1467.1 C1568.1 C1569.1 C1573.1 C1625.1 C1627.1 C1641.1 C1642.1 C1643.1 C1649.1 C1650.1 C1651.1 D19.1 J2.E39 J2.F40 J2.G39 J2.H40 J22.E39 J22.F40 J22.G39 J22.H40 J58.1 R87.2 R101.2 U1.AH32 U1.AK36 U1.AL13 U1.AL33 U1.AM30 U1.AP14 U1.AP34 U1.AT38 U1.AU15 U1.AV12 U1.AW9 U1.AY16 U1.BA13 U1.BB10 U1.BC7 U1.BD14 U1.BE11 U1.BF8 U1.J13 U1.L37 U1.M14 U1.M34 U1.N11 U1.P38 U1.R15 U1.R35 U1.T12 U1.T32 U1.W13 U1.W33 U44.2 Z16.2
VADJ_1V8_FPGA_SNS_N: C369.2 C370.1 U30.26 Z14.1
VADJ_1V8_FPGA_SNS_P: C369.1 U27.8 U30.27 Z16.1
VADJ_1V8_FPGA_VIN: C97.1 R101.1 U27.9
VADJ_1V8_PGOOD: J2.D1 J22.D1 RP2.6 U30.32 U44.18 U51.5
VADJ_1V8_PGOOD_LS: U1.AK35 U44.3
VADJ_1V8_VIN: C97.2 R102.1 U27.10
VADJ_DH_R: Q9.1 R98.2
VADJ_DL: Q9.7 U30.19
VREF_43: R798.2 U1.AJ29
VREF_45: R796.2 U1.U30
VREF_66: R1024.2 U1.BA11
VREF_67: R1023.2 U1.AL16
VREF_70: R3.2 U1.AB13
VRP_40: R378.1 U1.BC30
VRP_41: R384.1 U1.BC29
VRP_42: R377.1 U1.BB34
VRP_43: R383.1 U1.AR34
VRP_45: R700.1 U1.Y33
VRP_46: R1001.1 U1.K38
VRP_47: R379.1 U1.T29
VRP_48: R1002.1 U1.M26
VRP_65: R108.1 U1.BF21
VRP_66: R4.1 U1.BD16
VRP_67: R380.1 U1.BA12
VRP_70: R5.1 U1.W15
VRP_71: R1072.1 U1.D8
VRP_72: R1073.1 U1.T21
VRP_73: R1071.1 U1.T18

## Via types
v1: diameter 0.425, hole 0.2, TOP to BOTTOM, 1289 vias
v2: diameter 0.475, hole 0.25, TOP to BOTTOM, 2747 vias
v3: diameter 0.5, hole 0.25, TOP to BOTTOM, 4717 vias
v4: diameter 0.6, hole 0.3, TOP to BOTTOM, 325 vias
v5: diameter 0.5, hole 0.275, TOP to BOTTOM, 81 vias
v6: diameter 0.45, hole 0.2, TOP to BOTTOM, 230 vias
v7: diameter 0.55, hole 0.3, TOP to BOTTOM, 4 vias
v8: diameter 1.7, hole 1.125, TOP to BOTTOM, 2 vias

## Routing (per net, layer and track width the routed paths; a pad name or vN(x,y) marks a point on that pad's centre or on a via; arc(x,y) is an arc through that point)
AGND1: length 8.1
  TOP w0.375: 230.75,109.96 230.75,109.46 v4(231.47,108.74) ; v3(233.17,100.52) 233.17,100.52 233.17,101.16
  BOTTOM w0.375: 230.67,101.17 v3(230.67,100.52) ; 227.79,114.9 v3(227.79,115.55) ; 229.04,114.9 v3(229.04,115.55) ; 230.29,114.9 v3(230.29,115.55) ; 235.67,101.17 v3(235.67,100.52) ; 224.04,114.9 v3(224.04,115.55) ; 225.29,114.9 v3(225.29,115.55) ; 233.17,101.17 v3(233.17,100.52) ; 226.54,114.9 v4(226.54,115.59)
  vias: v4(230.22,108.74) v4(230.22,107.49) v4(230.22,106.24) v4(231.47,107.49) v4(231.47,106.24) v4(232.72,108.74) v4(232.72,107.49) v4(232.72,106.24)
AGND2: length 11.4
  TOP w0.375: 158.55,114.06 157.69,114.06 v3(157.37,114.37)
  BOTTOM w0.25: 158.75,113.62 156.62,113.62 v3(156.37,113.37) 156.62,113.13 158.75,113.13
  BOTTOM w0.375: 157.55,108.11 v3(157.55,107.37) ; 158.55,108.09 v3(158.55,107.37) ; v3(162.91,116.95) C1543.2 ; 156.55,108.11 v3(156.55,107.37) ; v3(159.87,115.88) 160.2,116.22 160.8,116.22 ; v3(160.86,107.4) 160.55,107.71 160.55,108.11
  vias: v3(155.37,114.37) v3(155.37,112.37) v3(157.37,112.37)
AGND5: length 37.6
  TOP w0.375: 179,133.18 179,134.04 v3(179.31,134.35) ; v3(175.16,131.8) 175.16,132.55 175.78,133.18 Z15.1
  BOTTOM w0.25: 172.77,138.35 173.01,138.59 173.01,139.72 178.42,145.13 187.28,145.13 188.4,144.01 188.4,143.57 ; 178.06,132.97 178.06,135.11 v3(178.31,135.35) 178.55,135.11 178.55,132.97 ; v3(174.74,135.79) 174.94,135.6 175.93,135.6
  BOTTOM w0.375: v3(172.38,131.18) 173.04,131.18 173.04,131.18 ; 172.4,136.73 172.38,136.7 v3(172.38,135.18) 173.04,135.18 ; v3(172.38,133.18) 173.04,133.18 173.04,133.18 ; 182.93,128.82 183.01,128.9 v3(183.93,128.9) ; 172.77,138.35 v3(171.98,138.35) ; 173.04,134.18 v3(172.38,134.18) ; C370.2 v3(181.15,131.79)
  vias: v3(177.31,136.35) v3(177.31,134.35) v3(179.31,136.35)
AGND6: length 32.1
  TOP w0.375: v3(207.44,64.5) 207.75,64.81 Z1.1
  BOTTOM w0.25: 210.82,61.78 210.82,61.37 211.04,61.15 v3(211.09,61.15) ; U6.28 208.69,63.74 v3(208.44,63.5) 208.2,63.74 U6.29 ; C188.2 213.74,60.26 213.74,59.13 209.17,54.56 207.93,54.56 207.09,53.72 205.81,53.72 200.2,53.72 198.88,55.05 198.88,55.65 198.88,55.66
  BOTTOM w0.375: R74.2 v3(214.5,64.67) ; C188.2 v3(214.77,60.5) ; R159.2 v3(214.5,63.67) ; C145.2 215.22,61.03 215.41,60.84 215.41,60.85 v3(215.43,60.85) ; R136.2 v3(214.5,67.67) ; R137.2 v3(214.5,65.67)
  vias: v3(204.84,69.05) v3(207.44,62.5) v3(209.44,64.5) v3(209.44,62.5)
AGND8: length 12.7
  TOP w0.375: v3(209.91,43.68) 209.91,44.43 210.53,45.05 Z94.1 ; v3(214.06,46.23) 213.75,45.91 213.75,45.05
  BOTTOM w0.25: 212.81,44.85 212.81,46.98 v3(213.06,47.23) 213.3,46.98 213.3,44.85 ; v3(209.43,47.73) 209.69,47.47 210.68,47.47
  BOTTOM w0.375: C1447.2 v3(215.9,43.65) ; 217.68,40.69 v3(216.6,40.69)
  vias: v3(212.06,48.23) v3(212.06,46.23) v3(214.06,48.23)
AGND9: length 24.2
  TOP w0.25: 162.59,137.88 162.59,135.52 v4(163.08,135.03) 164.06,136.01 165.93,136.01 ; 161.11,137.88 161.11,136.99 v4(161.83,136.28) 162.09,136.54 162.09,137.88
  BOTTOM w0.25: 165.46,135.65 164.95,135.65 v4(164.33,136.28) 163.56,137.05 163.08,137.05
  BOTTOM w0.375: 165.46,134.65 165.46,135.65 165.46,136.65 164.7,136.65 v4(164.33,136.28) ; 165.46,134.65 165.46,133.65 165.46,132.65 ; 165.46,134.65 163.45,134.65 v4(163.08,135.03) ; v4(161.83,136.28) 162.06,136.51 162.06,137.05 ; 165.46,132.65 165.35,132.54 163.9,132.54 ; 165.46,132.65 165.46,131.65
  vias: v4(161.83,133.78) v4(164.33,133.78)
AGND10: length 23.9
  TOP w0.15: U165.15 175.73,42.36 v3(176.26,41.83)
  TOP w0.25: U165.16 176.23,44.95 v4(175.24,45.94) 175.73,46.43 178.1,46.43 ; 178.1,47.91 177.21,47.91 v4(176.49,47.19) 176.76,46.92 178.1,46.92
  BOTTOM w0.15: 176.87,42.57 176.26,41.96 v3(176.26,41.83)
  BOTTOM w0.25: v4(176.49,44.69) 177.26,45.46 177.26,45.94
  BOTTOM w0.375: 172.87,43.56 171.87,43.56 ; 172.87,43.56 172.76,43.67 172.76,45.12 ; 172.87,43.56 173.87,43.56 ; v4(176.49,44.69) 176.87,44.31 176.87,43.56 173.87,43.56 ; v4(176.49,47.19) 176.72,46.96 177.26,46.96 ; 173.87,43.56 173.87,44.56 v4(173.99,44.69)
  vias: v4(173.99,47.19)
AGND12: length 36.3
  TOP w0.375: 42.3,119.68 43.81,119.68 v3(44.46,120.33)
  BOTTOM w0.25: 44.3,124.28 44.3,124.15 44.23,124.08 U150.29 ; 47.48,125.91 47.72,125.67 49.12,125.67 53.19,121.6 53.19,119.56 53.19,112.11 52.45,111.38 51.98,111.38 51.54,110.93 ; v3(45.2,124.17) 44.72,123.69 U150.28 ; U150.5 44.23,120.13 U150.33 44.23,120.62 42.1,120.62 ; v3(46.83,123.02) 46.83,122.97 46.6,122.75 46.2,122.75
  BOTTOM w0.375: 47.48,125.91 47.48,126.4 v3(47.75,126.67) ; 40.3,125.17 v3(40.3,125.95) ; 42.3,125.17 v3(42.3,125.9) ; 40.05,117.53 v3(40.92,117.53) ; 43.3,125.17 v3(43.3,125.9) ; v3(46.88,126.92) 46.65,127.15 45.85,127.15 ; 44.3,125.26 v3(44.3,126)
AGND13: length 52.1
  BOTTOM w0.15: 183.95,30.85 185.08,30.85 185.46,30.47 U156.29
  BOTTOM w0.175: 180.21,29.35 180.35,29.48 180.35,31.42 179.68,32.09 179.68,37.6 181.06,38.98 181.06,43.15 184.23,46.32 184.23,48.76 185.46,49.99 190.82,49.99 192.1,48.71 192.1,48.2 192.32,47.98
  BOTTOM w0.207: 186.33,30.85 185.95,30.47 U156.28 ; R1169.2 181.2,26.1 U156.5
  BOTTOM w0.25: 185.46,23.97 185.46,26.1 v3(185.7,26.35) 185.95,26.1 185.95,23.97
  BOTTOM w0.3: v3(182.95,28.85) 183.33,28.47 183.33,28.07
  BOTTOM w0.375: Z96.1 181.74,33.06 182.03,32.78 v3(182.82,32.78) ; 180.21,22.34 180.21,23.59 v3(179.38,23.59) ; 190.08,19.44 v4(190.08,18.4) ; 187.95,19.73 v4(188.93,19.73) ; 180.21,29.35 v3(179.45,29.35)
  vias: v3(184.7,27.35) v3(184.7,25.35) v3(186.7,27.35) v3(186.7,25.35)
GND: length 15582
  TOP w0.102: 171.31,19.26 170.86,19.26 170.7,19.1 170.7,18.05 169.9,17.26 169.9,16.77 170,16.66 170.15,16.66 170.28,16.8 U157.1 ; U104.1 102.81,24.23 102.67,24.1 102.57,24.1 102.47,24.19 102.47,24.65 103.12,25.3 103.12,26.82 103.44,27.14 103.83,27.14
  TOP w0.125: v4(70.78,132.12) 71.11,132.45 J35.4 ; v4(60.19,109.95) 60.53,109.62 J32.5 ; v4(68.61,129.95) 68.28,129.62 J35.3 ; J31.5 17.99,95.7 v4(17.65,96.04) ; v4(55.86,109.95) 55.53,109.62 J32.3 ; J34.2 82.19,132.45 v4(82.53,132.12) ; v4(29.4,96.04) 29.07,95.7 J30.3 ; J30.4 31.9,98.54 v4(31.57,98.2) ; J32.2 57.69,112.45 v4(58.03,112.12) ; J33.4 60.53,98.54 v4(60.19,98.2) ; v4(82.53,127.79) 82.19,127.45 J34.3 ; J34.4 85.03,130.29 v4(84.69,129.95) ; J30.2 29.07,100.7 v4(29.4,100.37) ; v4(55.86,98.2) 55.53,98.54 J33.2 ; v4(70.78,127.79) 71.11,127.45 J35.5 ; v4(17.65,100.37) 17.99,100.7 J31.4 ; v4(15.49,98.2) 15.15,97.87 J31.3 ; v4(58.03,96.04) 58.36,95.7 J33.5
  TOP w0.138: U122.4 158.97,18.95 158.45,19.46 158.17,19.46
  TOP w0.142: 152.71,35.44 v1(152.32,35.05) ; v2(135.08,67.76) U1.AA42
  TOP w0.15: v3(204.99,81.28) 205.26,81.55 205.26,82.39 ; U1.AG36 v2(129.17,60.87) ; U111.L11 v6(18.41,129.69) ; 10.93,135.6 v6(10.53,135.99) ; 205.26,113.14 205.26,112.22 v3(204.99,111.95) ; 158.43,15.83 159.63,15.83 159.63,17.01 159.43,17.21 159.43,17.75 159.64,17.96 U122.6 ; U111.B8 v6(15.26,137.57) ; U111.A1 v6(9.75,138.36) ; 18.8,135.6 v6(19.2,135.99) ; U111.C5 v6(12.9,136.78) ; U122.23 161.21,21.57 160.95,21.84 160.95,22.23 160.32,22.85 160,22.85 159.62,23.23 159.62,23.81 ; 205.26,92.64 205.26,91.8 v3(204.99,91.53) ; 137.38,31.68 136.82,31.68 v3(135.57,30.43) ; v3(43.85,82.53) 44.13,82.82 44.13,83.9 ; U1.AH36 v2(129.17,59.88) ; U111.A11 v6(18.41,138.36)
  TOP w0.2: v3(82.24,24.73) 82.27,24.76 82.27,25.9 ; v3(13.15,67.95) 13.15,67.62 13.31,67.46 U34.2
  TOP w0.212: 205.26,102.89 205.26,102.05 v3(204.99,101.78)
  TOP w0.25: 44.43,65.73 44.43,67.21 v3(44.48,67.26) ; v1(76.73,55.45) 76.76,55.48 76.76,56.14 ; 145.44,135.52 145.44,134.88 145.16,134.6 145.16,134.09 146.24,134.09 v4(146.25,134.09) ; v1(76.73,83.2) 76.76,83.23 76.76,83.89 ; 70.15,97.78 70.15,97.4 70.47,97.08 v1(71.22,97.08) ; C353.2 68.94,33.78 v1(69.64,34.49) ; v1(78.3,83.2) 78.9,83.8 78.9,83.91 ; v3(41.42,66.58) 41.47,66.53 41.47,65.73 ; 84.73,20.57 84.73,21.25 v3(84.24,21.73) 84.23,21.73 84.23,20.57 ; C492.2 74.51,48.22 v1(74.37,48.36) ; v3(171.83,68.65) 171.58,68.4 171.58,67.66 ; v1(73.58,55.45) 73.38,55.65 C434.2 ; v1(74.37,83.2) 74.65,83.48 74.65,83.91 ; C697.2 70.15,70.03 70.15,69.7 70.52,69.33 v1(71.22,69.33) ; C1709.2 150.06,134.49 v3(150.19,134.62) ; v1(77.52,69.33) 77.74,69.55 C749.2 ; 76.76,42.27 76.76,41.61 v1(76.73,41.58) ; v1(72.79,97.08) 72.4,97.47 72.4,97.78 ; C496.2 77.74,41.8 v1(77.52,41.58) ; v1(71.22,55.45) 70.56,55.45 70.15,55.87 70.15,56.16 ; C1052.2 68.94,75.41 v1(69.64,76.11) ; v3(38.57,63.3) 38.52,63.35 38.52,64.25 ; 70.43,44.92 70.43,44.09 C556.2 v3(71.31,43.91) ; 70.43,58.8 70.43,57.97 C695.2 v3(71.31,57.78) ; v3(15.9,66.72) 15.16,67.46 U34.2 ; v1(73.58,36.06) 72.99,36.65 72.59,36.65 v1(72,36.06) ; 74.65,97.78 74.65,97.36 v1(74.37,97.08) ; 76.02,33.78 76.02,34.41 v1(75.94,34.49) ; v1(79.88,41.58) 79.88,41.58 C441.2 ; v1(74.37,62.24) 74.51,62.1 C751.2 ; v3(71.31,30.03) C558.2 70.43,30.22 70.43,31.05 ; v1(76.73,69.33) 76.76,69.36 76.76,70.02 ; v1(72.79,55.45) 72.4,55.84 72.4,56.16 ; v4(104.72,23.49) 103.98,22.75 103.98,22.02 ; v3(177.49,50.5) 177.49,50.44 176.72,49.67 176.72,48.79 ; 83.25,51.07 84.06,51.07 v3(84.14,51) ; 80.57,103.88 80.4,103.88 79.96,103.43 79.96,103.02 79.83,102.89 79.32,102.89 ; v1(71.22,41.58) 70.52,41.58 70.15,41.95 70.15,42.28 ; 45.9,64.25 45.9,63.35 v3(45.85,63.3) ; v1(74.37,69.33) 74.65,69.61 74.65,70.03 ; 74.65,56.16 74.65,55.73 v1(74.37,55.45) ; 174.26,48.79 174.26,50.58 v3(174.13,50.71) ; 175.24,48.79 175.24,50.44 v3(175.51,50.71) 175.73,50.48 175.73,48.79 ; v1(74.37,89.99) 74.51,89.85 C754.2 ; 76.02,89.28 76.02,89.91 v1(75.94,89.99) ; U37.2 v3(126.13,127.98) ; 85.22,20.57 85.22,21.71 v3(85.24,21.73) ; v1(72.79,41.58) 72.4,41.97 72.4,42.28 ; v3(52.65,32.51) 52.41,32.51 ; 76.76,97.77 76.76,97.11 v1(76.73,97.08) ; 76.02,61.53 76.02,62.16 v1(75.94,62.24) ; 160.22,136.5 159.35,136.5 158.57,137.28 v3(158.52,137.28) ; U24.8 63.36,86.65 63.75,87.03 v3(63.75,87.22) ; v1(74.37,34.49) 74.51,34.35 C498.2 ; 44.43,64.25 44.43,63.35 v3(44.48,63.3) ; 160.22,135.03 158.57,135.03 v3(158.31,135.29) 158.53,135.52 160.22,135.52 ; 70.43,72.67 70.43,71.34 C953.2 ; 78.9,97.78 78.9,97.67 v1(78.3,97.08) ; v3(85.24,24.73) 85.67,25.16 85.96,25.16 86.01,25.2 86.41,25.2 ; v1(71.22,83.2) 70.56,83.2 70.15,83.62 70.15,83.91 ; v3(45.85,67.26) 45.9,67.21 45.9,65.73 ; v1(69.64,48.36) 68.94,47.66 C349.2 ; v4(172.35,16.06) 173.09,15.32 173.83,15.32 ; 40,65.73 40,66.53 v3(40.05,66.58) ; 53.96,129 53.96,129.5 v3(53.53,129.93) ; v3(158.31,133.92) 158.43,134.04 160.22,134.04 ; 46.15,133.77 46.15,132.65 v3(46.17,132.62) ; v1(69.64,89.99) 69.59,89.99 C706.2 ; v3(130.29,127) U37.7 ; 72.4,83.91 72.4,83.59 v1(72.79,83.2) ; 47.38,64.25 47.38,63.52 v3(47.79,63.11) ; v3(37.92,66.3) 38.04,66.41 38.31,66.41 38.52,66.2 38.52,65.73 ; v3(78.13,60.67) 78.89,60.67 ; v3(41.33,63.3) 41.47,63.45 41.47,64.25 ; 171.09,67.66 171.09,66.78 v3(171.34,66.53) ; 59.97,86.65 v3(61.42,86.65) ; 220.81,62.25 v3(220.81,61.23) ; 69.45,60.37 v3(68.6,60.37) ; 40,64.25 40,63.35 v3(39.95,63.3) ; C703.2 68.94,61.53 v1(69.64,62.24) ; 72.4,70.03 72.4,69.72 v1(72.79,69.33) ; v1(72,49.94) 72.59,50.53 72.99,50.53 v1(73.58,49.94) ; 64.38,82.81 v3(65.18,82.81) ; 147.54,113.21 v3(147.54,114.08)